# Altium PCB FMC_ADC_250M_16B_4ch_pcb.PcbDoc (part 3 of 8)
Units mm, origin at the board's own origin, x right, y up, seen from the top; angles counter-clockwise.
Board outline 76.75 x 69 mm, 8 copper layers (Top Layer, GND(SMAGND), L3, GND, L5, GND (Plane2), Power, Bottom Layer), stack 1.363 mm thick; 374 components, 427 nets, 2157 pads, 1340 vias.
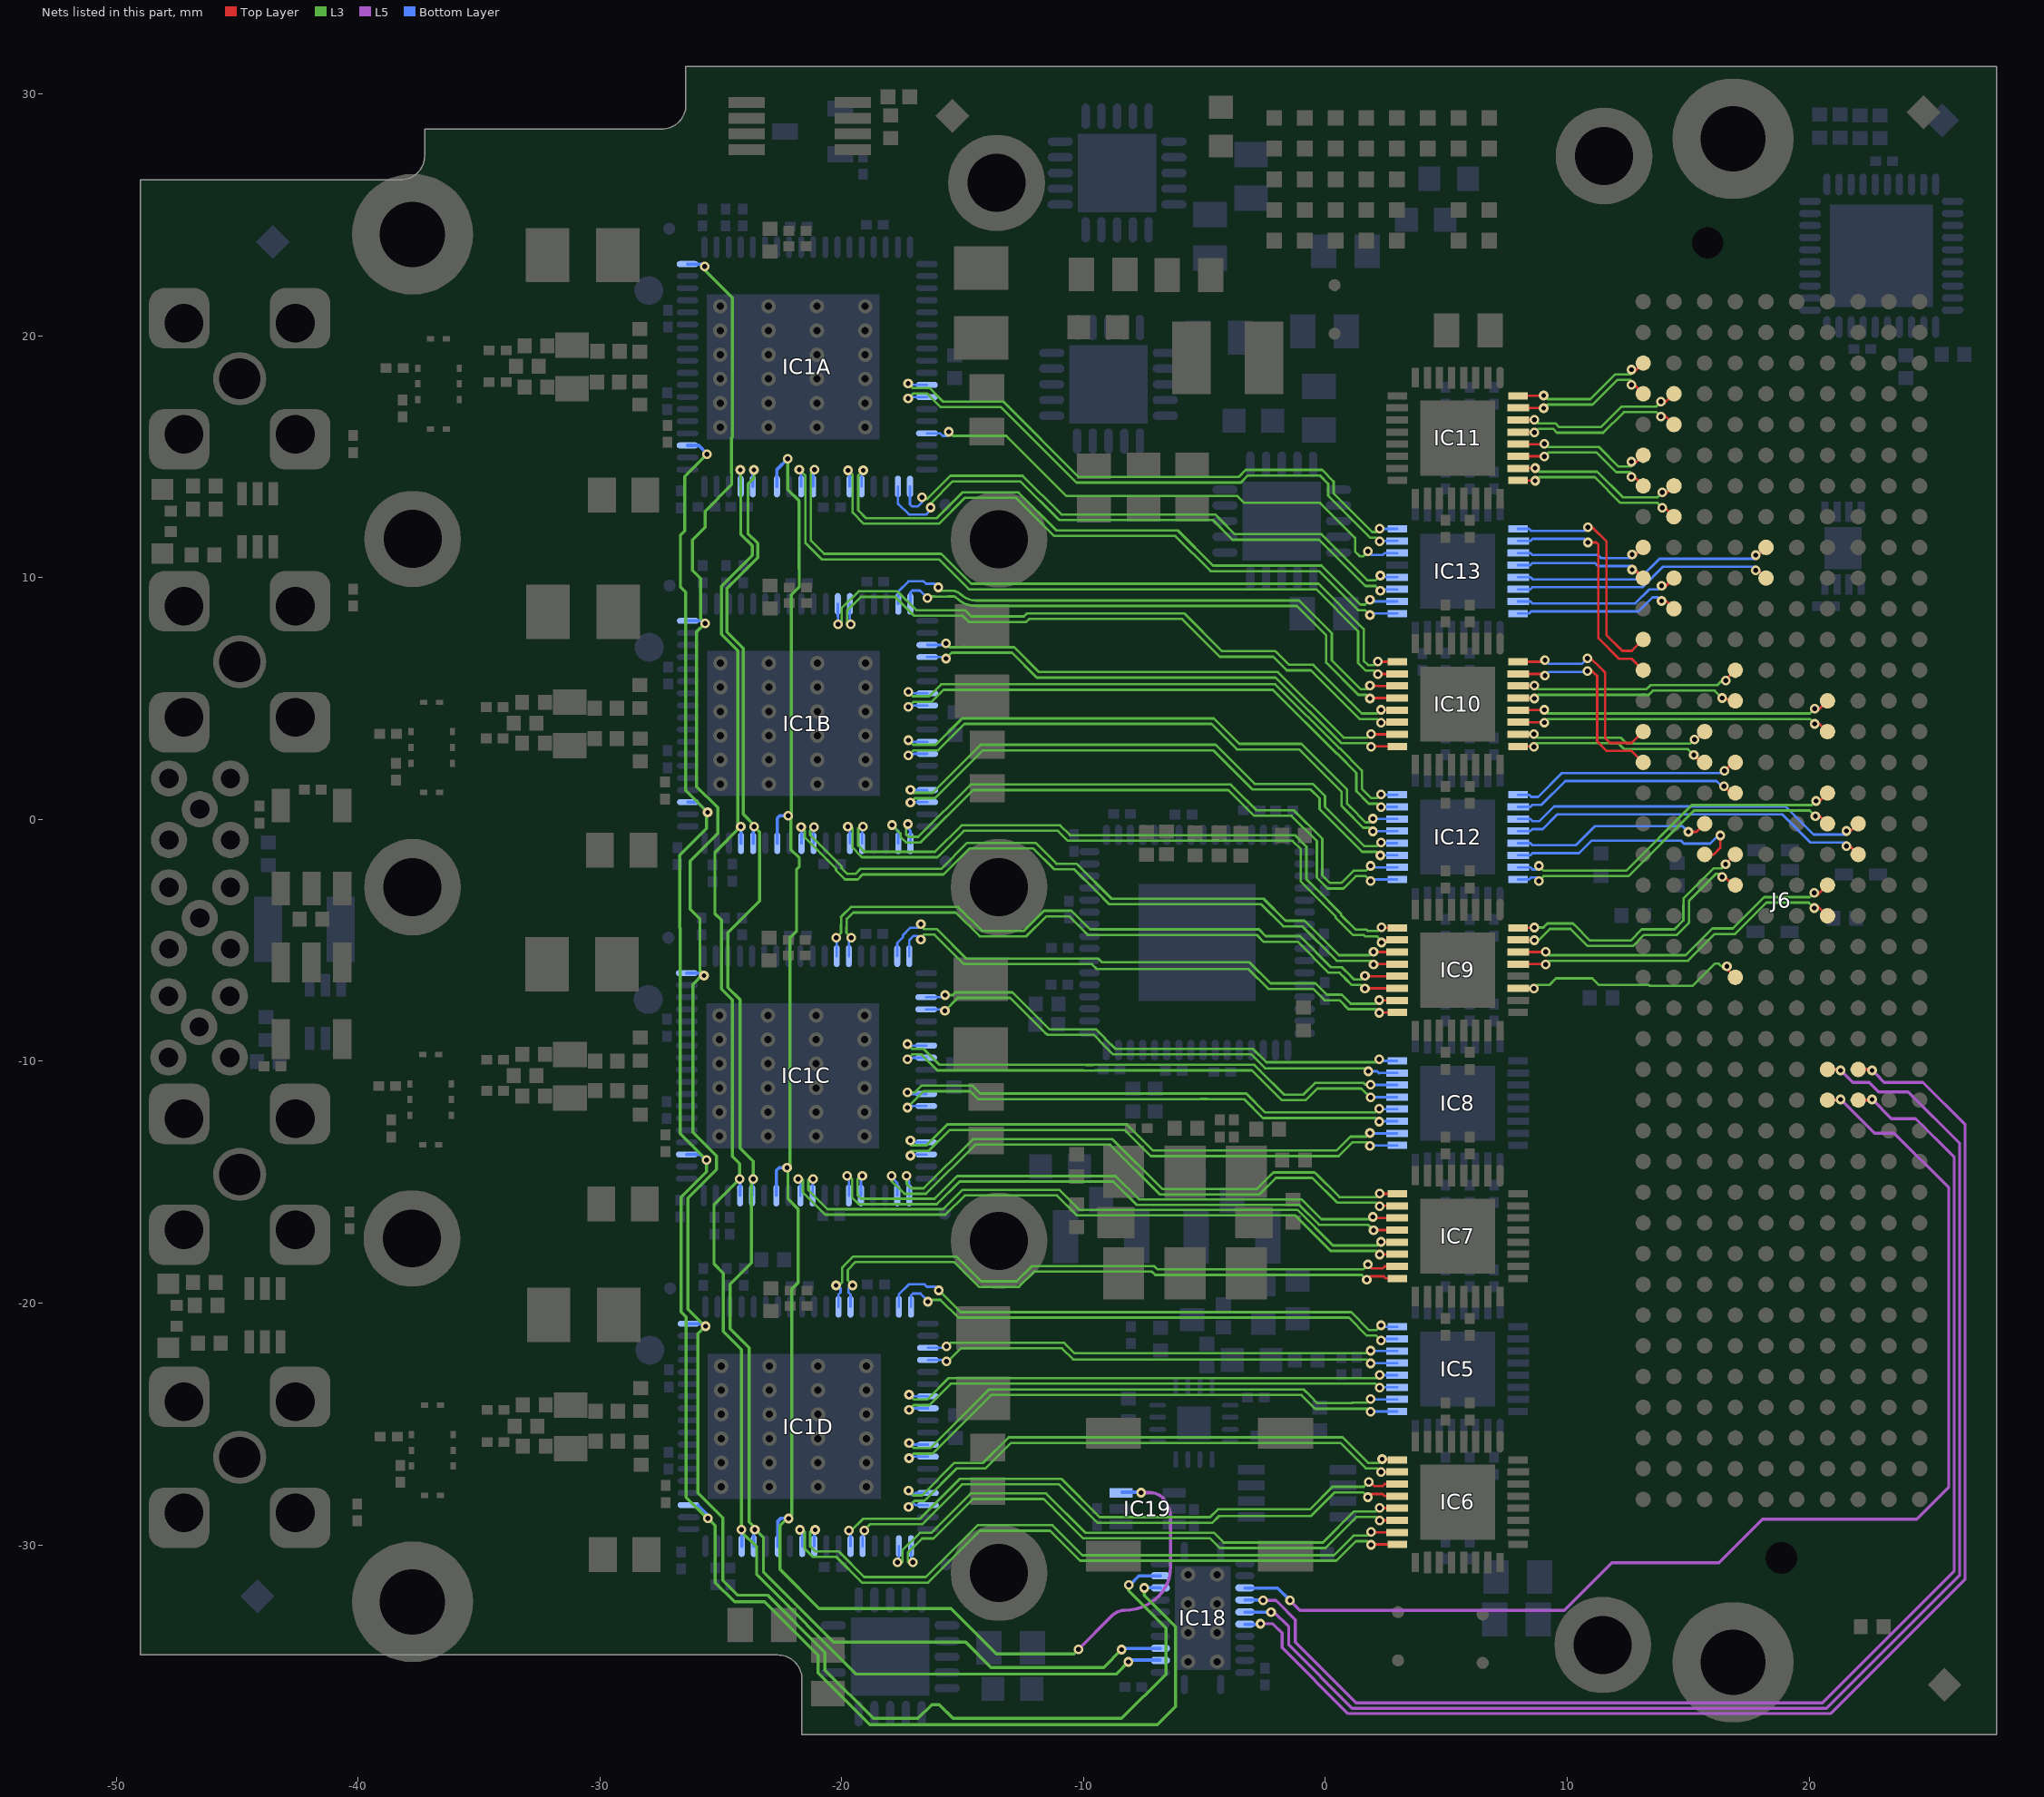
[diagram p9: the nets of this part, all layers, seen from the top]

## Via types
v1: diameter 0.4, hole 0.2, Top Layer to Bottom Layer, tented both sides, 961 vias
v2: diameter 0.5, hole 0.2, Top Layer to Bottom Layer, tented both sides, 351 vias
v3: diameter 0.4, hole 0.2, Top Layer to Bottom Layer, 13 vias
v4: diameter 0.5, hole 0.25, Top Layer to Bottom Layer, tented both sides, 8 vias
v5: diameter 0.6, hole 0.3, Top Layer to Bottom Layer, tented both sides, 7 vias

## Nets (pads, with @x,y where several pads share a name; then routed paths per layer and width w, separated by ;. In a path a pad name is that pad's centre, name@x,y a point inside that pad or via, vN(x,y) a via of type N, cw(c..) or ccw(c..) an arc to the next point about the centre after c; other vN are vias at no path point) (continued)
ADC_BUF_DATA1.D14_P: IC9.27 J6.g18 | length 10
  Top Layer w0.102: IC9.27@7.971,-6.979 8.608,-6.979 v1(8.622,-6.993) ; v1@16.47,-6.164 v1@16.501,-6.133 ; v1(16.606,-6.075) 16.559,-6.075 v1@16.501,-6.133 ; J6.g18@16.951,-6.525 16.559,-6.133 v1@16.501,-6.133
  L3 w0.102: 8.771,-6.844 9.261,-6.844 9.534,-6.57 11.038,-6.57 11.312,-6.844 13.381,-6.844 13.413,-6.875 15.19,-6.875 15.221,-6.844 16.101,-5.964 16.27,-5.964 16.47,-6.164 16.559,-6.075 v1(16.606,-6.075)
ADC_BUF_DATA2.CLKOUT_N: IC12.27 J6.c23 | length 15.2
  Top Layer w0.102: v1(21.55,-0.471) 21.55,-0.484 21.636,-0.57 J6.c23@22.031,-0.175
  Bottom Layer w0.102: IC12.27@7.971,0.021 8.475,0.021 8.56,-0.064 8.85,-0.064 9.457,0.543 19.025,0.543 19.122,0.446 20.189,-0.621 21.525,-0.621 21.55,-0.595 v1(21.55,-0.471)
ADC_BUF_DATA2.CLKOUT_P: IC12.28 J6.c22 | length 15.1
  Top Layer w0.102: v1(21.55,-1.1) 21.598,-1.053 21.639,-1.053 J6.c22@22.031,-1.445
  Bottom Layer w0.102: IC12.28@7.971,-0.479 8.475,-0.479 8.56,-0.395 8.987,-0.395 9.594,0.213 18.888,0.213 20.052,-0.951 21.525,-0.951 21.55,-0.976 v1(21.55,-1.1)
ADC_BUF_DATA2.D0_N: IC9.30 J6.d21 | length 13.9
  Top Layer w0.102: IC9.30@7.971,-5.479 9.091,-5.479 v1(9.104,-5.466) ; v1(20.21,-3.037) 20.309,-3.136 20.341,-3.136 J6.d21@20.761,-2.715
  L3 w0.102: 9.254,-5.615 14.898,-5.615 16.006,-4.507 16.851,-4.507 18.147,-3.211 20.036,-3.211 v1(20.21,-3.037)
ADC_BUF_DATA2.D0_P: IC9.29 J6.d20 | length 13.9
  Top Layer w0.102: IC9.29@7.971,-5.979 9.091,-5.979 v1(9.104,-5.993) ; v1(20.21,-3.664) 20.307,-3.567 20.344,-3.567 J6.d20@20.761,-3.985
  L3 w0.102: 9.254,-5.844 13.467,-5.844 13.945,-5.844 14.993,-5.844 16.101,-4.735 16.946,-4.735 18.242,-3.44 19.987,-3.44 v1(20.21,-3.664)
ADC_BUF_DATA2.D2_N: IC9.32 J6.g22 | length 11.4
  Top Layer w0.102: IC9.32@7.971,-4.479 8.634,-4.479 v1(8.647,-4.466) ; v1(16.548,-1.848) J6.g22@16.951,-1.445
  L3 w0.102: v1(8.647,-4.466) 9.015,-4.466 9.119,-4.363 9.186,-4.296 10.233,-4.296 10.3,-4.363 10.94,-5.004 12.624,-5.004 13.084,-4.543 14.438,-4.543 14.806,-4.175 14.806,-3.558 14.81,-3.554 14.81,-3.272 16.064,-2.018 16.379,-2.018 v1(16.548,-1.848)
ADC_BUF_DATA2.D2_P: IC9.31 J6.g21 | length 11.4
  Top Layer w0.102: IC9.31@7.971,-4.979 8.634,-4.979 v1(8.647,-4.993) ; v1@16.553,-2.407 16.861,-2.715 J6.g21@16.951,-2.715
  L3 w0.102: v1(8.647,-4.993) 8.812,-4.993 9.28,-4.524 10.138,-4.524 10.846,-5.232 12.718,-5.232 13.179,-4.772 14.533,-4.772 14.968,-4.337 15.035,-4.27 15.035,-3.652 15.038,-3.649 15.038,-3.366 16.159,-2.246 v1@16.401,-2.246 ; v1@16.397,-2.251 v1@16.553,-2.407
  other v1: 16.406,-2.375
ADC_BUF_DATA2.D4_N: IC12.31 J6.d24 | length 14.2
  Top Layer w0.102: v1@20.384,0.717 J6.d24@20.761,1.095
  L3 w0.102: v1(8.825,-1.915) 9.025,-2.115 12.436,-2.115 15.15,0.599 20.117,0.599 v1(20.287,0.768)
  Bottom Layer w0.102: IC12.31@7.971,-1.979 8.475,-1.979 8.56,-2.064 8.698,-2.064 8.825,-1.937 v1(8.825,-1.915)
ADC_BUF_DATA2.D4_P: IC12.32 J6.d23 | length 14.3
  Top Layer w0.102: v1(20.261,0.133) 20.453,0.133 J6.d23@20.761,-0.175
  L3 w0.102: v1(8.825,-2.544) 9.025,-2.344 12.531,-2.344 15.244,0.37 20.024,0.37 v1(20.261,0.133)
  Bottom Layer w0.102: IC12.32@7.971,-2.479 8.424,-2.479 8.509,-2.395 8.698,-2.395 8.825,-2.522 v1(8.825,-2.544)
ADC_BUF_DATA2.D6_N: IC12.29 J6.h23 | length 8.3
  Top Layer w0.102: v1(15.011,-0.508) 15.348,-0.508 J6.h23@15.681,-0.175 J6.h23@15.681,-0.18
  Bottom Layer w0.102: IC12.29@7.971,-0.979 8.475,-0.979 8.56,-1.064 10.35,-1.064 11.139,-0.275 14.767,-0.275 v1@15.011,-0.519
ADC_BUF_DATA2.D6_P: IC12.30 J6.h22 | length 10.2
  Top Layer w0.102: J6.h22@15.515,-1.445 J6.h22@15.681,-1.445 16.056,-1.445 16.332,-1.168 v1(16.332,-0.66)
  Bottom Layer w0.102: IC12.30@7.971,-1.479 8.475,-1.479 8.56,-1.395 10.487,-1.395 11.007,-0.875 14.7,-0.875 14.825,-1 15.913,-1 16.253,-0.66 v1(16.332,-0.66)
ADC_BUF_DATA2.D8_N: IC12.25 J6.g25 | length 9.6
  Top Layer w0.102: v1(16.502,2.013) 16.854,2.365 J6.g25@16.951,2.365
  Bottom Layer w0.102: IC12.25@7.971,1.021 8.424,1.021 8.509,0.936 8.8,0.936 9.783,1.919 16.409,1.919 v1(16.502,2.013)
ADC_BUF_DATA2.D8_P: IC12.26 J6.g24 | length 9.6
  Top Layer w0.102: v1(16.477,1.378) 16.759,1.095 J6.g24@16.951,1.095
  Bottom Layer w0.102: IC12.26@7.971,0.521 8.475,0.521 8.56,0.605 8.936,0.605 9.92,1.589 16.166,1.589 16.377,1.378 v1(16.477,1.378)
ADC_BUF_DATA2.D10_N: IC10.26 J6.h26 | length 8.2
  Top Layer w0.102: IC10.26@7.971,3.521 8.608,3.521 v1(8.622,3.534) ; v1(15.257,3.308) 15.354,3.308 J6.h26@15.681,3.635 J6.h26@15.681,3.57
  L3 w0.102: v1(8.622,3.534) 8.771,3.385 12.204,3.385 12.45,3.139 15.088,3.139 v1(15.257,3.308)
ADC_BUF_DATA2.D10_P: IC10.25 J6.h25 | length 8.1
  Top Layer w0.102: IC10.25@7.971,3.021 8.608,3.021 v1(8.622,3.007) ; v1(15.232,2.673) 15.54,2.365 J6.h25@15.681,2.365
  L3 w0.102: v1(8.622,3.007) 8.771,3.156 12.109,3.156 12.356,2.91 14.995,2.91 v1(15.232,2.673)
ADC_BUF_DATA2.D12_N: IC10.30 J6.g28 | length 9.3
  Top Layer w0.102: IC10.30@7.971,5.521 8.634,5.521 v1(8.647,5.534) ; v1(16.553,5.746) 16.553,5.776 J6.g28@16.951,6.175 J6.g28@16.931,6.175
  L3 w0.102: v1(8.647,5.534) 8.796,5.385 13.273,5.385 13.445,5.557 16.217,5.557 v1@16.406,5.746
ADC_BUF_DATA2.D12_P: IC10.29 J6.g27 | length 9.2
  Top Layer w0.102: IC10.29@7.971,5.021 8.634,5.021 v1(8.647,5.007) ; v1@16.502,5.086 16.683,4.905 J6.g27@16.951,4.905
  L3 w0.102: v1(8.647,5.007) 8.796,5.156 13.367,5.156 13.539,5.328 16.103,5.328 v1(16.406,5.025)
ADC_BUF_DATA2.D14_N: IC10.28 J6.d27 | length 13.2
  Top Layer w0.102: IC10.28@7.971,4.521 9.04,4.521 v1(9.054,4.534) ; v1(20.236,4.583) 20.335,4.484 20.341,4.484 J6.d27@20.761,4.905
  L3 w0.102: v1(9.054,4.534) 9.203,4.385 20.037,4.385 v1(20.236,4.583)
ADC_BUF_DATA2.D14_P: IC10.27 J6.d26 | length 13.2
  Top Layer w0.102: IC10.27@7.971,4.021 9.04,4.021 v1(9.054,4.007) ; v1(20.236,3.956) 20.332,4.053 20.344,4.053 J6.d26@20.761,3.635
  L3 w0.102: v1(9.054,4.007) 9.203,4.156 20.036,4.156 v1(20.236,3.956)
ADC_BUF_DATA3.CLKOUT_N: IC13.25 J6.k29 | length 9.8
  Top Layer w0.102: v1(10.857,12.085) 11.039,12.085 11.619,11.505 11.619,7.635 12.279,6.975 12.672,6.975 J6.k29@13.141,7.445
  Bottom Layer w0.102: IC13.25@7.971,12.021 8.424,12.021 8.509,11.936 10.708,11.936 v1(10.857,12.085)
ADC_BUF_DATA3.CLKOUT_P: IC13.26 J6.k28 | length 9.7
  Top Layer w0.102: v1(10.857,11.456) 11.201,11.456 11.289,11.368 11.289,7.499 12.143,6.645 12.672,6.645 J6.k28@13.141,6.175
  Bottom Layer w0.102: IC13.26@7.971,11.521 8.475,11.521 8.56,11.605 10.708,11.605 v1(10.857,11.456)
ADC_BUF_DATA3.D0_N: IC10.32 J6.k26 | length 8.6
  Top Layer w0.102: IC10.32@7.971,6.521 9.015,6.521 v1(9.079,6.585) ; v1(10.832,6.663) 10.983,6.663 11.345,6.301 11.345,6.293 11.568,6.069 11.568,3.368 11.771,3.165 12.672,3.165 J6.k26@13.141,3.635
  Bottom Layer w0.102: v1(9.079,6.585) 9.228,6.436 10.604,6.436 v1(10.832,6.663)
ADC_BUF_DATA3.D0_P: IC10.31 J6.k25 | length 8.4
  Top Layer w0.102: IC10.31@7.971,6.021 9.015,6.021 v1(9.079,5.956) ; v1(10.832,6.136) 11.035,6.136 11.238,5.933 11.238,3.231 11.635,2.835 12.672,2.835 J6.k25@13.141,2.365
  Bottom Layer w0.102: v1(9.079,5.956) 9.228,6.105 10.801,6.105 v1(10.832,6.136)
ADC_BUF_DATA3.D2_N: IC13.31 J6.j31 | length 7
  Top Layer w0.102: v1(13.905,9.664) 13.98,9.59 14.016,9.59 J6.j31@14.411,9.985
  Bottom Layer w0.102: IC13.31@7.971,9.021 8.475,9.021 8.56,8.936 12.813,8.936 13.392,9.515 13.756,9.515 v1(13.905,9.664)
ADC_BUF_DATA3.D2_P: IC13.32 J6.j30 | length 7
  Top Layer w0.102: v1(13.905,9.036) 13.977,9.107 14.019,9.107 J6.j30@14.411,8.715
  Bottom Layer w0.102: IC13.32@7.971,8.521 8.424,8.521 8.509,8.605 12.95,8.605 13.529,9.185 13.756,9.185 v1(13.905,9.036)
ADC_BUF_DATA3.D4_N: IC13.29 J6.f32 | length 11
  Top Layer w0.102: v1(17.791,10.933) 17.791,10.895 17.826,10.86 J6.f32@18.221,11.255
  Bottom Layer w0.102: IC13.29@7.971,10.021 8.475,10.021 8.569,9.927 12.853,9.927 12.862,9.936 12.971,9.936 13.819,10.784 17.766,10.784 17.791,10.809 v1(17.791,10.933)
ADC_BUF_DATA3.D4_P: IC13.30 J6.f31 | length 11
  Top Layer w0.102: v1(17.791,10.305) 17.791,10.339 17.829,10.377 J6.f31@18.221,9.985
  Bottom Layer w0.102: IC13.30@7.971,9.521 8.475,9.521 8.56,9.605 13.107,9.605 13.956,10.454 17.766,10.454 17.791,10.428 v1(17.791,10.305)
ADC_BUF_DATA3.D6_N: IC13.27 J6.k32 | length 5.6
  Top Layer w0.102: v1(12.686,10.959) 12.686,10.92 12.746,10.86 J6.k32@13.141,11.255
  Bottom Layer w0.102: IC13.27@7.971,11.021 8.475,11.021 8.56,10.936 11.274,10.936 11.4,10.809 12.66,10.809 12.686,10.835 v1(12.686,10.959)
ADC_BUF_DATA3.D6_P: IC13.28 J6.k31 | length 5.6
  Top Layer w0.102: v1(12.686,10.33) 12.733,10.377 12.749,10.377 J6.k31@13.141,9.985
  Bottom Layer w0.102: IC13.28@7.971,10.521 8.475,10.521 8.56,10.605 11.137,10.605 11.263,10.479 12.66,10.479 12.686,10.454 v1(12.686,10.33)
ADC_BUF_DATA3.D8_N: IC11.26 J6.j34 | length 7.3
  Top Layer w0.102: IC11.26@7.971,14.521 8.659,14.521 v1(8.673,14.534) ; v1(13.93,13.524) 13.93,13.486 14.016,13.4 J6.j34@14.411,13.795
  L3 w0.102: v1(8.673,14.534) 8.822,14.385 11.237,14.385 12.298,13.324 13.73,13.324 v1(13.93,13.524)
ADC_BUF_DATA3.D8_P: IC11.25 J6.j33 | length 7.2
  Top Layer w0.102: IC11.25@7.971,14.021 8.659,14.021 v1(8.673,14.007) ; v1(13.93,12.895) 13.952,12.917 14.019,12.917 J6.j33@14.411,12.525
  L3 w0.102: v1(8.673,14.007) 8.822,14.156 11.142,14.156 12.203,13.095 13.73,13.095 v1(13.93,12.895)
ADC_BUF_DATA3.D10_N: IC11.28 J6.k35 | length 6
  Top Layer w0.102: IC11.28@7.971,15.521 9.04,15.521 v1(9.054,15.534) ; v1(12.66,14.794) 12.66,14.756 12.746,14.67 J6.k35@13.141,15.065
  L3 w0.102: v1(9.054,15.534) 9.182,15.406 11.308,15.406 11.329,15.385 12.12,14.594 12.61,14.594 12.66,14.645 v1(12.66,14.794)
ADC_BUF_DATA3.D10_P: IC11.27 J6.k34 | length 5.9
  Top Layer w0.102: IC11.27@7.971,15.021 9.04,15.021 v1(9.054,15.007) ; v1(12.66,14.165) 12.682,14.187 12.749,14.187 J6.k34@13.141,13.795
  L3 w0.102: v1(9.054,15.007) 9.061,15.007 9.231,15.177 11.213,15.177 12.025,14.365 12.61,14.365 12.66,14.315 v1(12.66,14.165)
ADC_BUF_DATA3.D12_N: IC11.30 J6.j37 | length 7.2
  Top Layer w0.102: IC11.30@7.971,16.521 8.634,16.521 v1(8.647,16.534) ; v1(13.88,17.284) 13.954,17.21 14.016,17.21 J6.j37@14.411,17.605
  L3 w0.102: v1(8.647,16.534) 8.796,16.385 9.506,16.385 9.666,16.225 11.396,16.225 12.178,17.007 12.245,17.074 13.669,17.074 v1(13.88,17.284)
ADC_BUF_DATA3.D12_P: IC11.29 J6.j36 | length 7.2
  Top Layer w0.102: IC11.29@7.971,16.021 8.634,16.021 v1(8.647,16.007) ; v1(13.88,16.656) 13.951,16.727 14.019,16.727 J6.j36@14.411,16.335
  L3 w0.102: v1(8.647,16.007) 8.796,16.156 9.412,16.156 9.572,15.996 11.491,15.996 12.339,16.845 13.69,16.845 v1(13.88,16.656)
ADC_BUF_DATA3.D14_N: IC11.32 J6.k38 | length 6.1
  Top Layer w0.102: IC11.32@7.971,17.521 9.015,17.521 v1(9.028,17.534) ; v1(12.66,18.604) 12.66,18.566 12.746,18.48 J6.k38@13.141,18.875
  L3 w0.102: v1(9.028,17.534) 9.177,17.385 10.959,17.385 11.978,18.404 12.61,18.404 12.66,18.455 v1(12.66,18.604)
ADC_BUF_DATA3.D14_P: IC11.31 J6.k37 | length 6
  Top Layer w0.102: IC11.31@7.971,17.021 9.015,17.021 v1(9.028,17.007) ; v1(12.66,17.975) 12.682,17.997 12.749,17.997 J6.k37@13.141,17.605
  L3 w0.102: v1(9.028,17.007) 9.177,17.156 11.053,17.156 12.072,18.175 12.61,18.175 12.66,18.125 v1(12.66,17.975)
ADC_BUF_RESETN: IC1A.18 IC1B.18 IC1C.18 IC1D.18 IC18.10 | length 90.7
  L3 w0.127: v1(-25.69,-6.455) -25.739,-6.406 -25.862,-6.283 -25.862,-6.218 ; v1@-25.668,8.142 -25.837,8.311 -25.837,9.966 -26.176,10.305 -26.176,11.566 -25.652,12.09 -25.652,12.748 -24.55,13.85 -24.55,14.304 -24.554,14.307 -24.554,15.785 -24.525,15.813 -24.525,21.579 -25.662,22.716 v1(-25.662,22.866) ; v1(-25.648,8.112) -25.998,7.761 -25.998,1.361 -25.125,0.487 -25.125,-0.577 -26.262,-1.714 -26.262,-3.703 -25.862,-4.102 -25.862,-6.218 ; v1(-8.125,-31.65) -8.078,-31.65 -8.125,-31.603 -8.125,-31.9 -6.594,-33.431 -6.594,-35.343 -8.425,-37.175 -15.395,-37.175 -15.967,-36.603 -16.269,-36.603 -16.841,-37.175 -18.691,-37.175 -20.69,-35.176 -20.69,-34.451 -23.066,-32.075 -24.316,-32.075 -24.917,-31.474 -24.917,-28.88 -25.948,-27.849 -25.948,-21.271 -25.643,-20.966 -26.359,-20.25 -26.359,-15.663 -25.176,-14.48 -25.176,-13.91 -26.151,-12.936 -26.151,-6.818 -25.694,-6.361 -25.719,-6.361 -25.862,-6.218
  Bottom Layer w0.135: IC1C.18@-26.403,-6.35 -25.693,-6.35 -25.69,-6.353 v1(-25.69,-6.455) ; IC1A.18@-26.375,22.971 -25.665,22.971 -25.662,22.968 v1(-25.662,22.866) ; IC1B.18@-26.361,8.217 -25.651,8.217 -25.648,8.214 v1(-25.648,8.112) ; IC1D.18@-26.333,-20.85 -25.623,-20.85 -25.62,-20.853 v1(-25.62,-20.955) ; v1(-8.125,-31.65) -8.078,-31.65 -7.709,-31.281 IC18.10@-6.819,-31.281
ADC_BUF_SCLK: IC1A.68 IC1B.68 IC1C.68 IC1D.68 IC18.4 | length 70.3
  L3 w0.127: v1(-23.63,14.459) -23.63,14.118 -23.874,13.874 -23.874,11.828 -23.465,11.419 -23.465,10.827 -24.747,9.546 -24.747,7.747 -24.072,7.072 -24.072,0.222 -23.616,-0.235 v1(-23.616,-0.295) -23.394,-0.518 -23.394,-3.374 -24.703,-4.684 -24.703,-6.947 -24.2,-7.45 -24.2,-13.595 -23.658,-14.137 v1(-23.658,-14.862) -23.732,-14.935 -23.732,-18.344 -24.614,-19.226 -24.614,-21.055 -23.825,-21.844 -23.825,-29.05 -23.588,-29.287 v1(-23.588,-29.362) -23.563,-29.362 -23.236,-29.689 -23.236,-31.116 -20.331,-34.022 -14.87,-34.022 -13.829,-35.063 -9.819,-35.063 ; -9.819,-35.063 -9.158,-35.063 v1(-8.422,-34.326) v1@-8.345,-34.25
  Bottom Layer w0.135: IC1C.68@-23.703,-15.55 -23.703,-14.907 v1(-23.658,-14.862) ; IC1A.68@-23.675,13.771 -23.675,14.414 v1(-23.63,14.459) ; IC1B.68@-23.661,-0.983 -23.661,-0.34 v1(-23.616,-0.295) ; IC1D.68@-23.633,-30.05 -23.633,-29.407 v1(-23.588,-29.362) ; v1(-8.422,-34.326) -8.422,-34.301 -8.442,-34.281 IC18.4@-6.819,-34.281
ADC_BUF_SDI: IC1A.69 IC1B.69 IC1C.69 IC1D.69 IC18.3 | length 70.2
  L3 w0.127: v1(-24.189,14.459) -24.174,14.444 -24.174,11.805 -23.694,11.325 -23.694,10.922 -24.975,9.64 -24.975,7.652 -24.3,6.977 -24.3,-0.17 v1(-24.175,-0.295) -25.242,-1.363 -25.242,-3.891 -24.97,-4.164 -24.97,-7.007 -24.525,-7.452 -24.525,-13.93 -24.217,-14.238 v1(-24.217,-14.862) -25.278,-15.923 -25.278,-18.385 -24.893,-18.77 -24.893,-21.171 -24.147,-21.916 v1(-24.147,-29.362) -24.147,-29.453 -23.515,-30.085 -23.515,-31.232 -19.405,-35.342 -8.65,-35.342 v1(-8.142,-34.834)
  Bottom Layer w0.135: v1(-24.217,-14.862) -24.203,-14.876 IC1C.69@-24.203,-15.55 ; v1(-24.189,14.459) -24.175,14.445 IC1A.69@-24.175,13.771 ; v1(-24.175,-0.295) -24.161,-0.309 IC1B.69@-24.161,-0.983 ; v1(-24.147,-29.362) -24.133,-29.376 IC1D.69@-24.133,-30.05 ; v1(-8.142,-34.834) -8.066,-34.758 IC18.3@-6.825,-34.758
ADC_BUF_SDO: IC1A.66 IC1B.66 IC1C.66 IC1D.66 IC19.3 | length 77.2
  L5 w0.135: v1(-10.211,-34.315) -8.813,-32.917 cw(c-8.288,-33.442) -8.288,-32.7 ccw(c-8.288,-30.737) -6.9,-32.125 ccw(c-8.107,-30.918) -6.4,-30.918 -6.4,-28.835 ccw(c-7.51,-28.835) -6.725,-28.05 ccw(c-7.236,-28.561) -7.236,-27.838 v1(-7.62,-27.838)
  L3 w0.127: v1(-22.233,14.916) -22.233,13.648 -21.767,13.182 -21.767,10.381 -21.752,10.367 -21.752,9.62 -22.087,9.285 -22.087,0.294 v1(-22.219,0.162) -22.096,0.039 -22.096,-1.253 -21.752,-1.596 -21.752,-1.941 -21.864,-2.053 -21.864,-4.613 -22.138,-4.887 -22.138,-14.281 v1(-22.261,-14.405) -22.22,-14.447 -22.22,-15.691 -21.795,-16.116 -21.795,-16.508 -21.798,-16.511 -21.798,-19.153 -22.061,-19.417 -22.061,-28.775 v1(-22.191,-28.905) -22.255,-28.905 -22.556,-29.206 -22.556,-31.008 -20.939,-32.625 -15.477,-32.625 -13.598,-34.505 -10.922,-34.505
  L3 w0.135: -10.922,-34.505 -10.4,-34.505 v1(-10.211,-34.315)
  Bottom Layer w0.135: IC1C.66@-22.703,-15.55 -22.703,-14.517 -22.592,-14.405 v1(-22.261,-14.405) ; IC1A.66@-22.675,13.771 -22.675,14.474 v1(-22.233,14.916) ; IC1B.66@-22.661,-0.983 -22.661,0.05 -22.549,0.162 v1(-22.219,0.162) ; IC1D.66@-22.633,-30.05 -22.633,-29.017 -22.522,-28.905 v1(-22.191,-28.905) ; IC19.3@-8.416,-27.82 v1@-7.638,-27.82
ADC_BUF_SLEEP: IC1A.3 IC1B.3 IC1C.3 IC1D.3 IC18.9 | length 81.4
  L3 w0.127: v1(-25.567,15.102) -26.49,14.178 -26.49,11.928 -26.668,11.751 -26.668,9.621 -26.455,9.408 -26.455,1.208 -25.594,0.346 -25.594,-0.375 -26.693,-1.475 -26.693,-4.475 -26.68,-4.489 -26.68,-12.995 v1(-25.592,-14.083) -25.592,-14.573 -26.638,-15.619 -26.638,-20.365 -26.43,-20.573 -26.43,-28.027 v1@-25.531,-28.926 ; v1(-25.531,-28.902) v1@-25.531,-28.926 ; v1(-7.494,-31.775) -7.494,-32.081 -6.194,-33.381 -6.194,-36.675 -6.944,-37.425 -18.836,-37.425 -20.969,-35.292 -20.969,-34.567 -23.182,-32.354 -24.432,-32.354 -25.227,-31.559 -25.227,-29.198 -25.499,-28.926 v1@-25.531,-28.926
  Bottom Layer w0.135: IC1C.3@-26.403,-13.85 -25.85,-13.85 v1@-25.643,-14.057 ; IC1A.3@-26.375,15.471 -25.91,15.471 v1@-25.567,15.127 ; IC1B.3@-26.361,0.717 -25.964,0.717 v1@-25.567,0.319 ; IC1D.3@-25.922,-28.357 -25.922,-28.383 -25.516,-28.789 -25.516,-28.942 -25.531,-28.926 v1(-25.531,-28.902) ; v1(-7.494,-31.775) IC18.9@-6.825,-31.775 IC18.9@-6.819,-31.781
  other v1: -25.541,0.294
ADC_CSB0: IC18.19 J6.c15 | length 57.9
  Top Layer w0.135: J6.c15@22.031,-10.335 22.566,-10.335 v1(22.606,-10.375)
  L5 w0.123: v1(-2.681,-33.26) -2.172,-33.26 -1.789,-33.643 -1.789,-34.247 0.94,-36.976 20.883,-36.976 26.451,-31.408 26.451,-12.62 24.706,-10.875 23.106,-10.875 22.756,-10.525
  Bottom Layer w0.135: IC18.19@-3.319,-33.281 -2.703,-33.281 v1(-2.681,-33.26)
ADC_CSB1: IC18.18 J6.d15 | length 58.5
  Top Layer w0.135: J6.d15@20.761,-10.335 21.266,-10.335 v1(21.306,-10.375)
  L5 w0.123: v1(-2.249,-32.777) -2.123,-32.777 -1.514,-33.386 -1.514,-34.133 1.105,-36.752 20.718,-36.752 26.227,-31.243 26.227,-13.396 24.1,-11.269 22.885,-11.269 22.492,-10.875 21.806,-10.875 v1(21.306,-10.375)
  Bottom Layer w0.135: IC18.18@-3.319,-32.781 -2.253,-32.781 v1(-2.249,-32.777)
ADC_CSB2: IC18.17 J6.c14 | length 56
  Top Layer w0.135: J6.c14@22.031,-11.605 22.576,-11.605 v1(22.606,-11.575)
  L5 w0.123: v1(-2.58,-32.294) -2.046,-32.294 -1.927,-32.414 ; -1.927,-32.415 -1.239,-33.102 -1.239,-34.019 1.27,-36.528 20.554,-36.528 26.003,-31.079 26.003,-13.971 24.406,-12.375 23.406,-12.375 v1(22.606,-11.575)
  Bottom Layer w0.135: IC18.17@-3.319,-32.281 -2.593,-32.281 v1(-2.58,-32.294)
ADC_CSB3: IC18.16 J6.d14 | length 50.5
  Top Layer w0.135: J6.d14@20.761,-11.605 21.276,-11.605 v1(21.306,-11.575)
  L5 w0.123: v1(-1.462,-32.294) -1.048,-32.708 9.874,-32.708 11.851,-30.732 16.277,-30.732 18.071,-28.937 24.449,-28.937 25.779,-27.608 25.779,-15.232 23.521,-12.975 22.706,-12.975 v1(21.306,-11.575)
  Bottom Layer w0.135: IC18.16@-3.319,-31.781 -1.975,-31.781 v1(-1.462,-32.294)
ADC_DATA0.CLKOUT_N: IC1D.47 IC5.10 | length 22.4
  L3 w0.102: v1(-17.213,-25.787) -17.004,-25.995 -16.339,-25.995 -14.482,-24.138 -13.915,-23.571 -0.896,-23.571 -0.617,-23.851 -0.329,-24.138 1.106,-24.138 1.129,-24.115 1.716,-24.115 v1(1.865,-23.966)